# Altium PCB as_x31.PcbDoc (part 1 of 5)
Units mm, origin at the board's own origin, x right, y up, seen from the top; angles counter-clockwise.
Board outline 130 x 100 mm, 6 copper layers (Top Layer, Ground_1, Power_1, Mid_1, Ground_2, Bottom Layer), stack 0.928 mm thick; 402 components, 373 nets, 2529 pads, 1429 vias.
Unrouted connection lines stored in the file: 648.
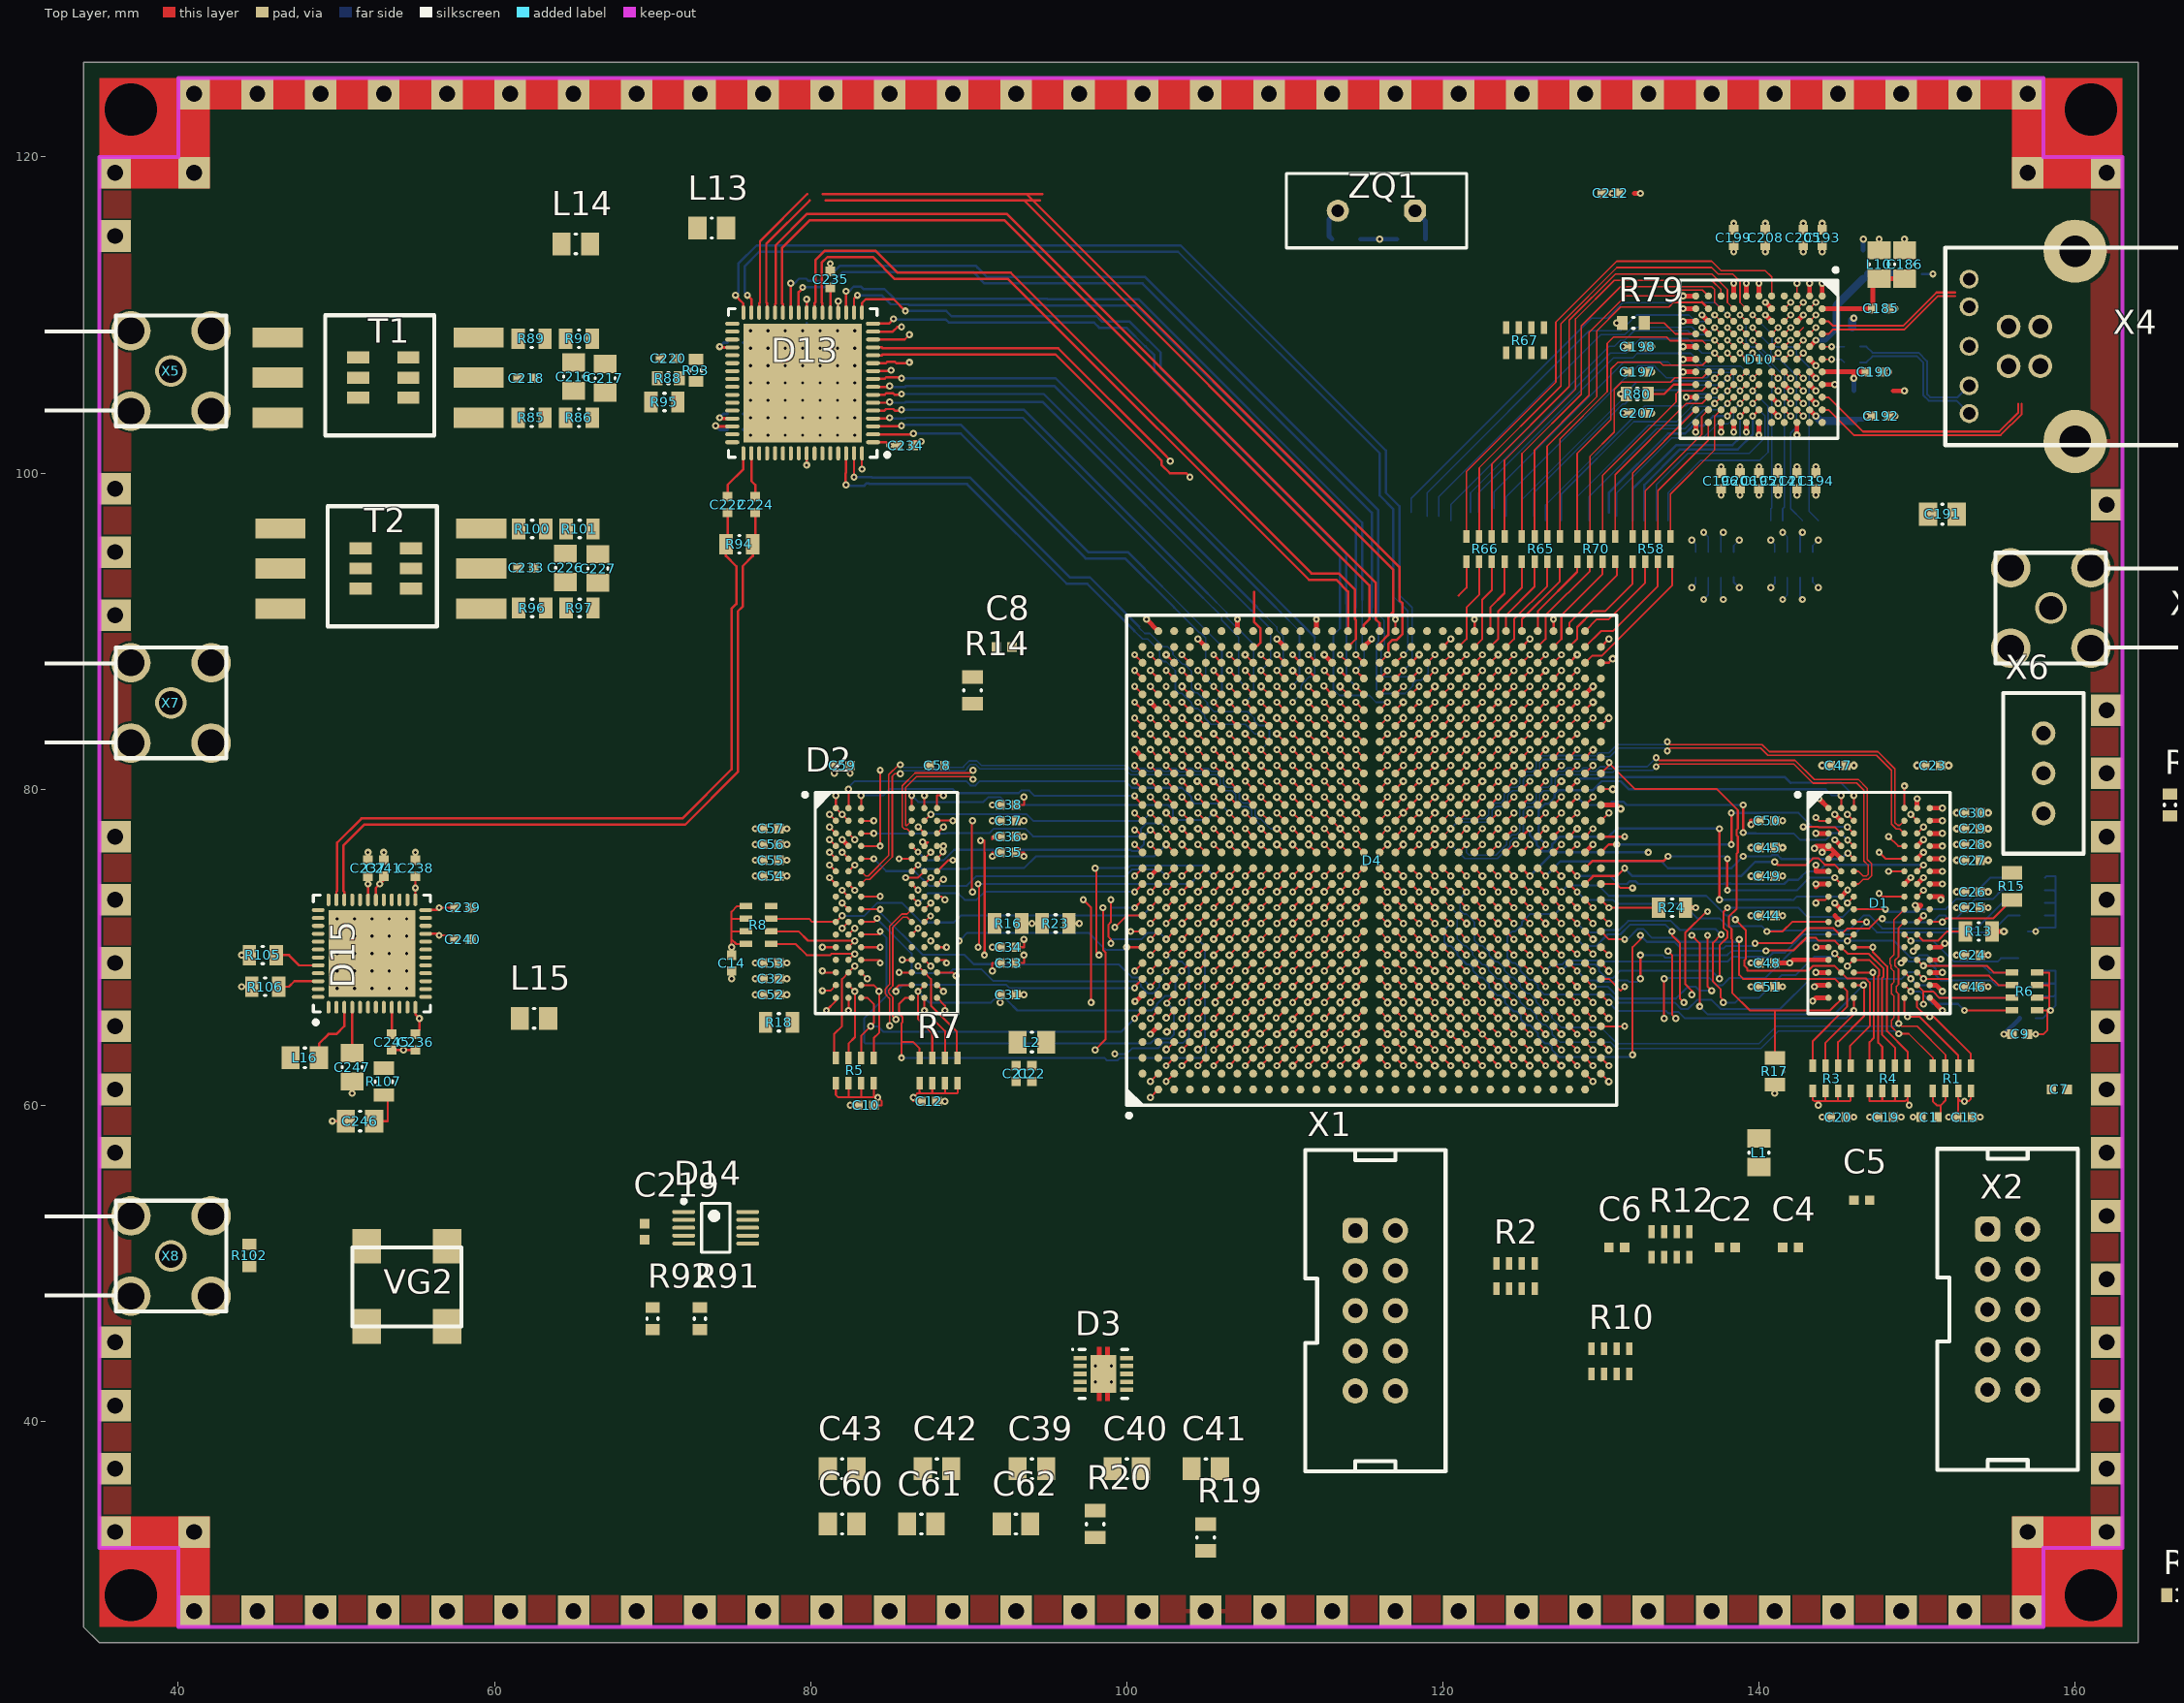
[diagram p0: Top Layer view]
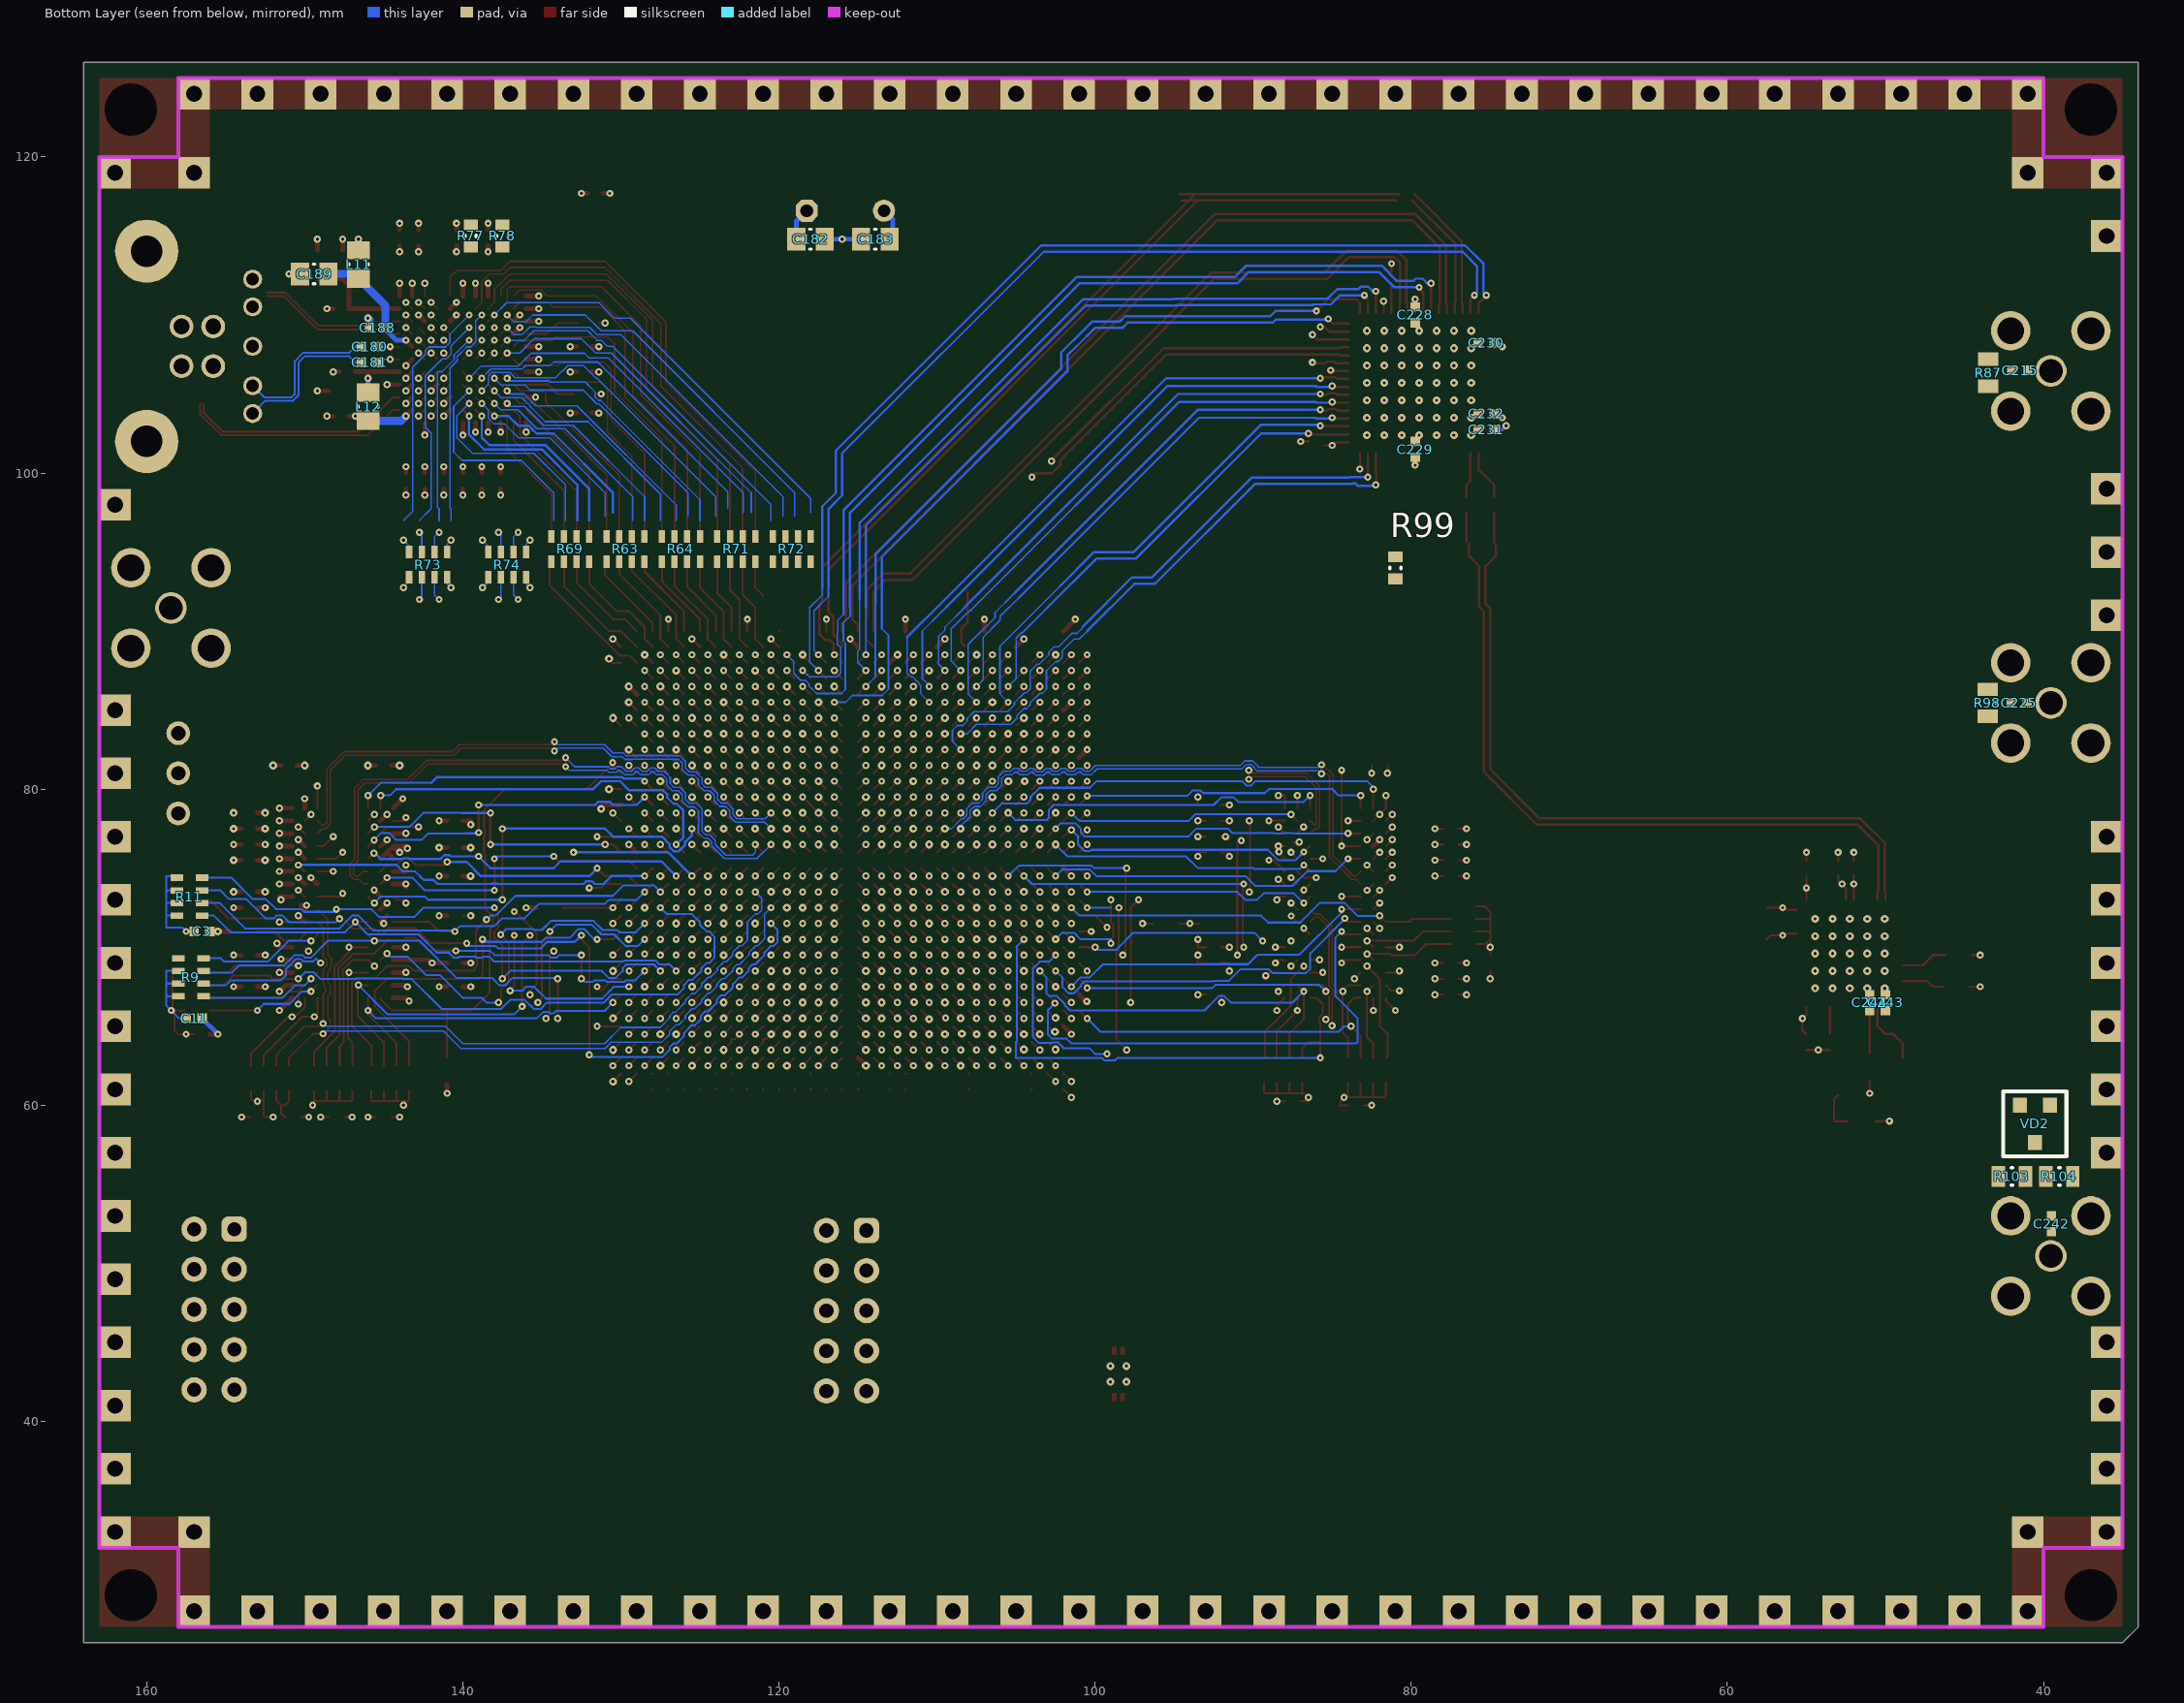
[diagram p1: Bottom Layer view, seen from below]
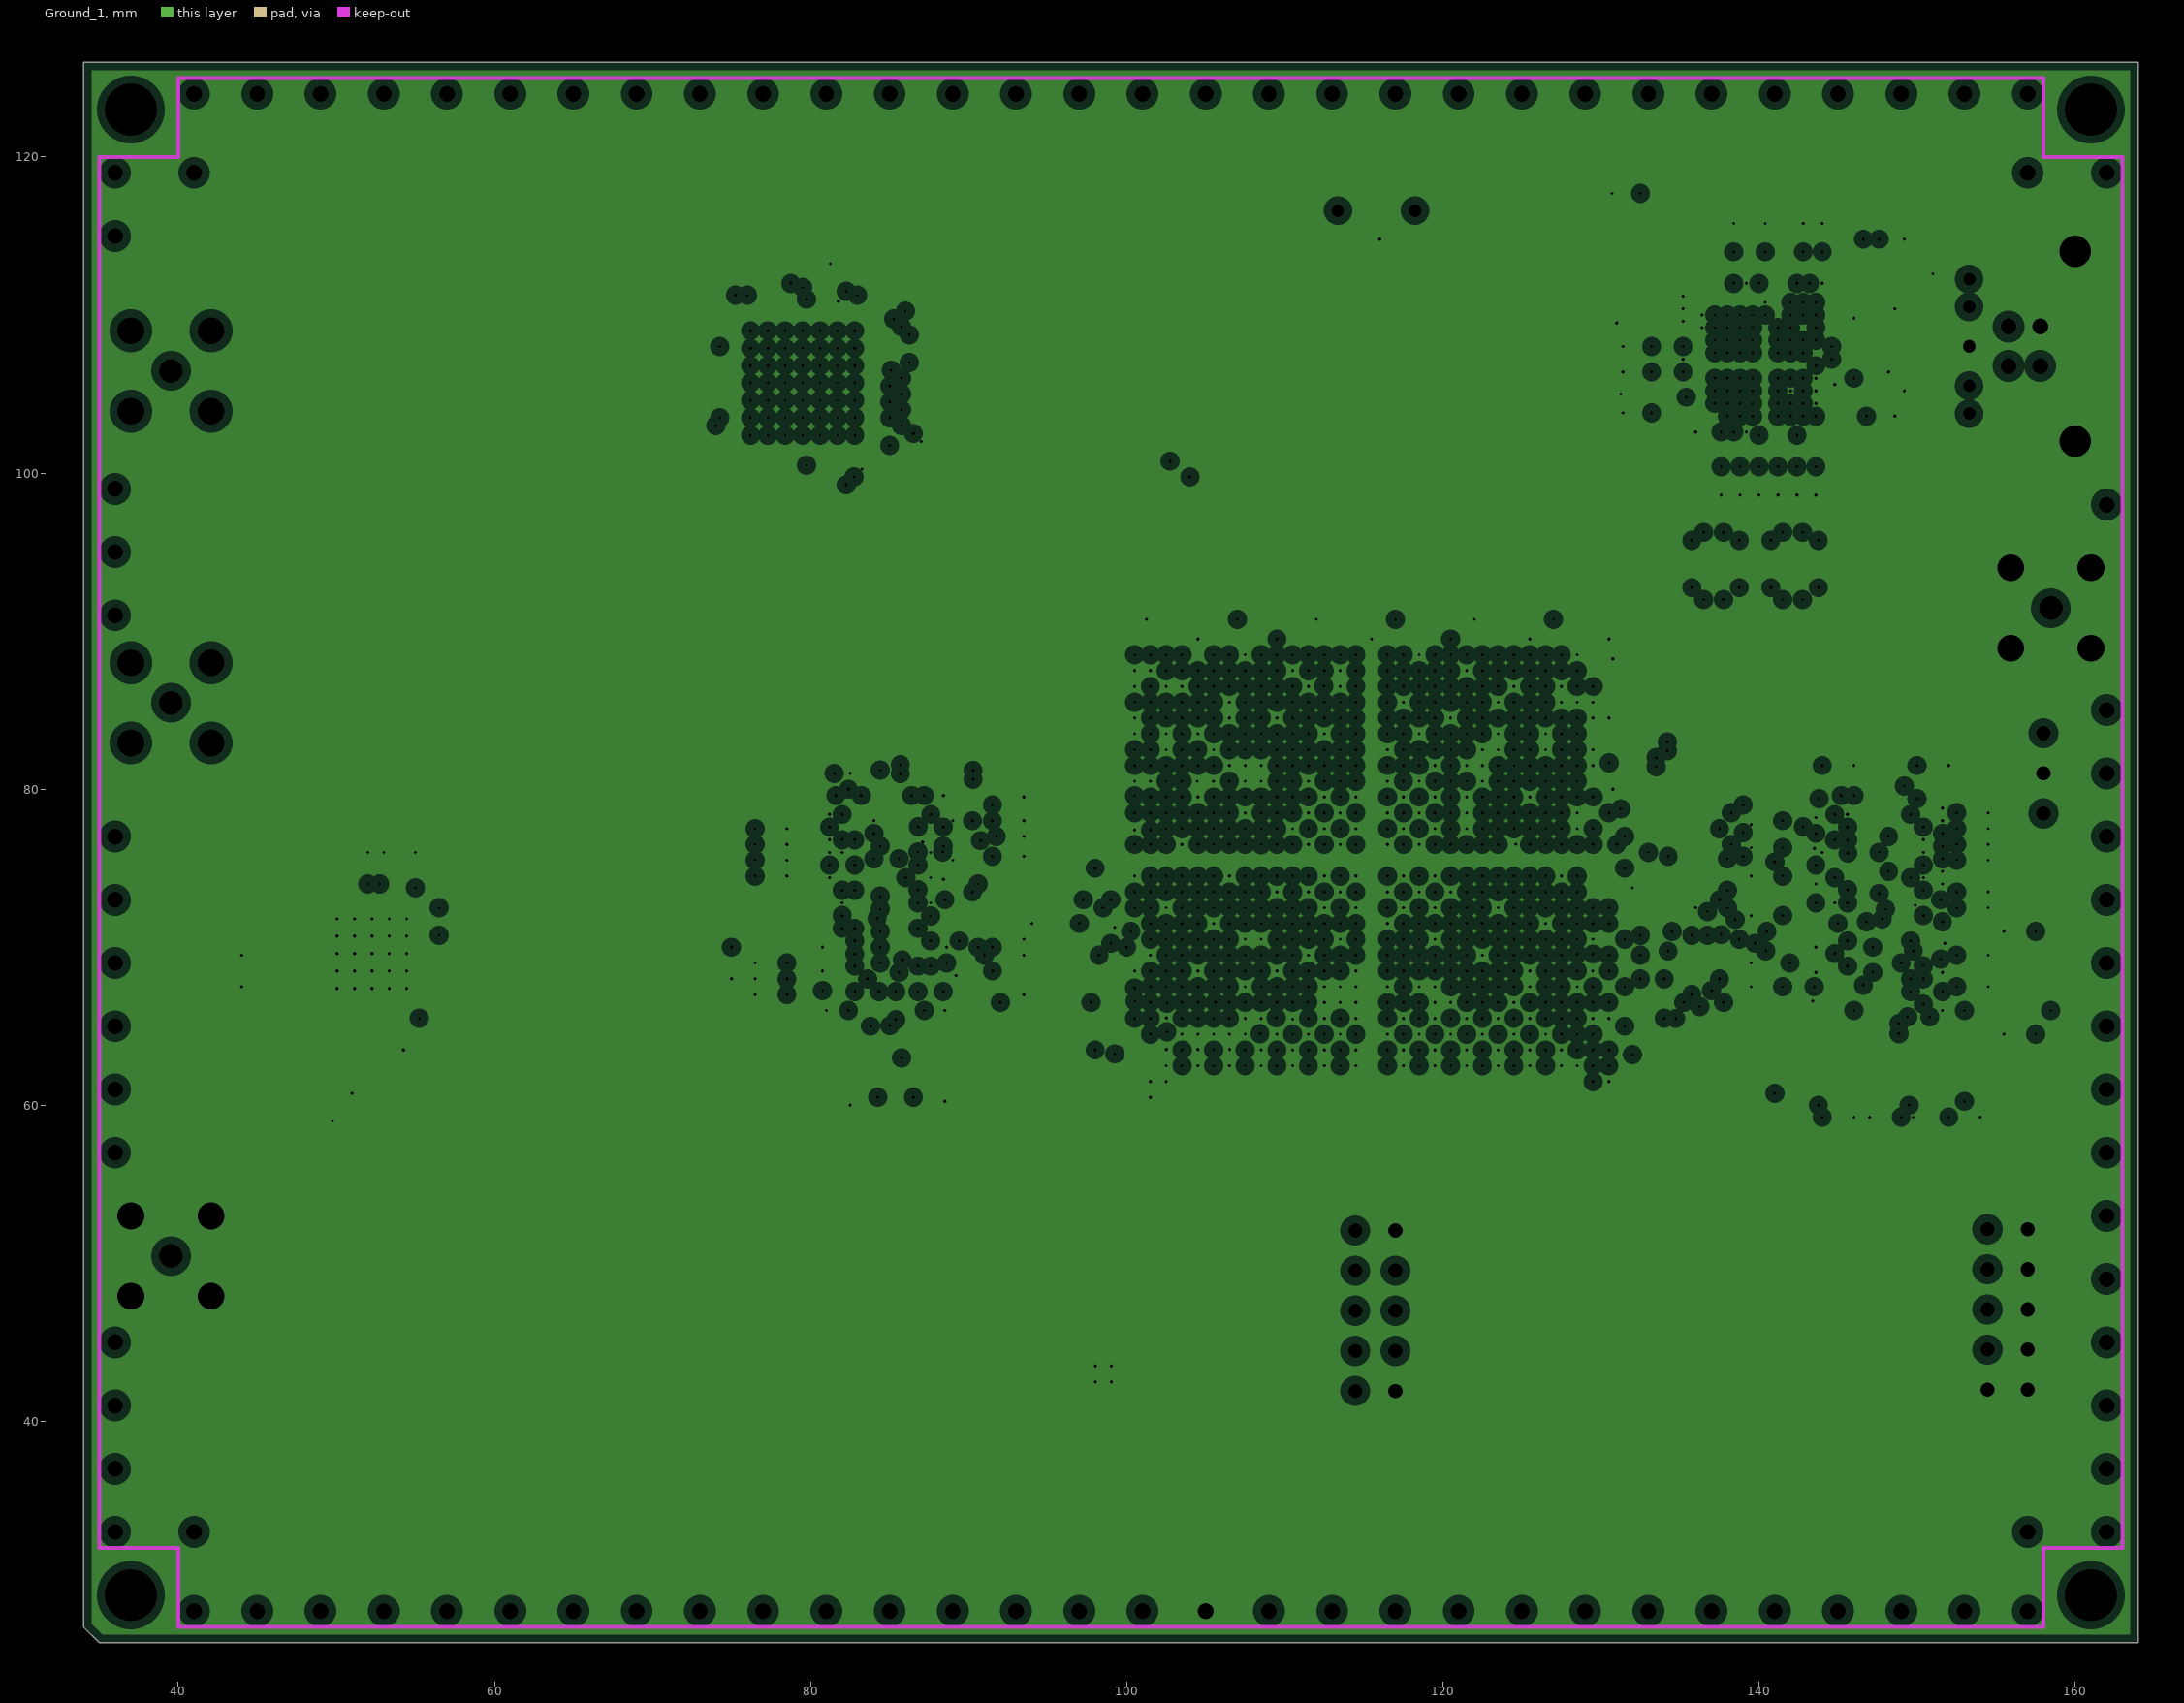
[diagram p2: Ground_1, clearances drawn from the general rule]